# Altium PCB STB_LightBoard.PcbDoc (part 21 of 31) (continued)
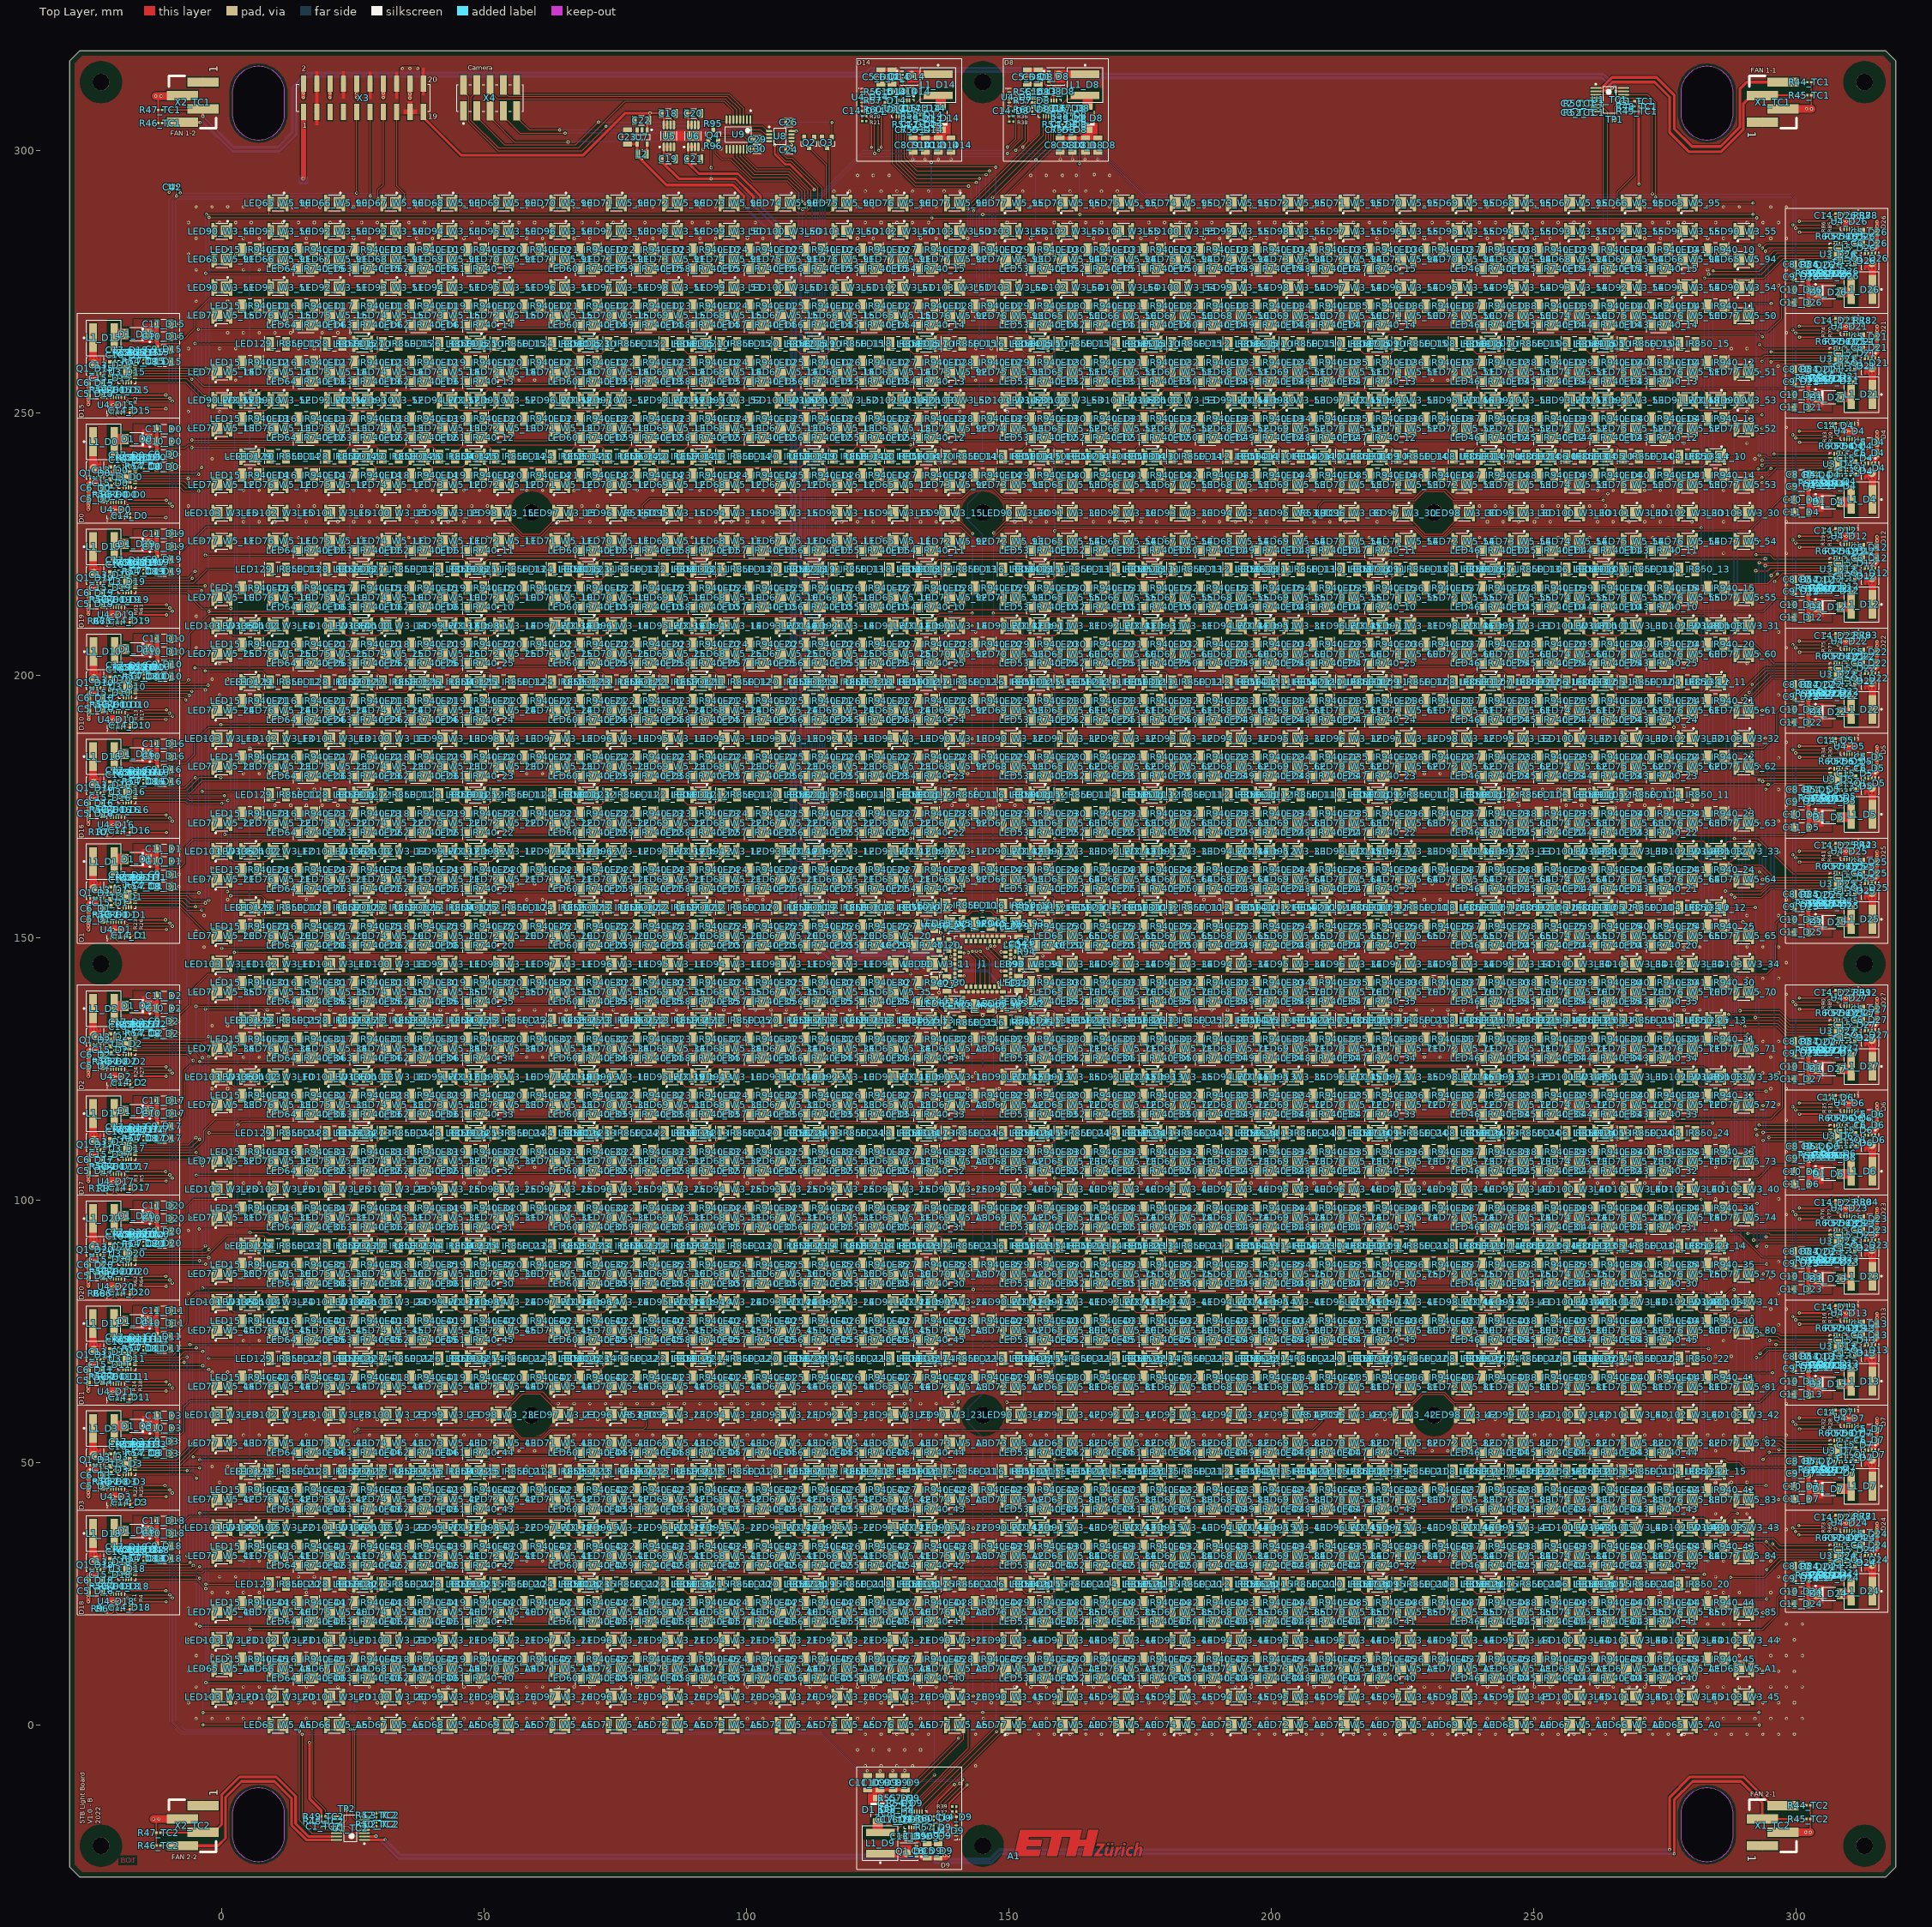
[diagram p0: Top Layer view]
## Nets (pads, with @x,y where several pads share a name; then routed paths per layer and width w, separated by ;. In a path a pad name is that pad's centre, name@x,y a point inside that pad or via, vN(x,y) a via of type N, cw(c..) or ccw(c..) an arc to the next point about the centre after c; other vN are vias at no path point) (continued)
  Top Layer w0.2: LED53_IR740_21.2@157.678,158.781 164.351,158.781
NetLED52_IR740_22_1: LED52_IR740_22.1 LED53_IR740_22.2 | length 6.7
  Top Layer w0.2: LED53_IR740_22.2@157.678,169.522 164.351,169.522
NetLED52_IR740_23_1: LED52_IR740_23.1 LED53_IR740_23.2 | length 6.7
  Top Layer w0.2: LED53_IR740_23.2@157.678,180.263 164.351,180.263
NetLED52_IR740_24_1: LED52_IR740_24.1 LED53_IR740_24.2 | length 8.1
  Top Layer w0.2: LED53_IR740_24.2@157.678,191.004 164.351,191.004 ; 163.9,191.004 164.351,191.004 ; LED52_IR740_24.1@165.122,191.538 164.588,191.004 164.351,191.004
NetLED52_IR740_25_1: LED52_IR740_25.1 LED53_IR740_25.2 | length 6.7
  Top Layer w0.2: LED53_IR740_25.2@157.678,201.745 164.351,201.745
NetLED52_IR740_30_1: LED52_IR740_30.1 LED53_IR740_30.2 | length 6.7
  Top Layer w0.2: LED53_IR740_30.2@157.678,83.594 164.351,83.594
NetLED52_IR740_31_1: LED52_IR740_31.1 LED53_IR740_31.2 | length 6.7
  Top Layer w0.2: LED53_IR740_31.2@157.678,94.335 164.351,94.335
NetLED52_IR740_32_1: LED52_IR740_32.1 LED53_IR740_32.2 | length 6.7
  Top Layer w0.2: LED53_IR740_32.2@157.678,105.076 164.351,105.076
NetLED52_IR740_33_1: LED52_IR740_33.1 LED53_IR740_33.2 | length 6.7
  Top Layer w0.2: LED53_IR740_33.2@157.678,115.817 164.351,115.817
NetLED52_IR740_34_1: LED52_IR740_34.1 LED53_IR740_34.2 | length 6.7
  Top Layer w0.2: LED53_IR740_34.2@157.678,126.558 164.351,126.558
NetLED52_IR740_35_1: LED52_IR740_35.1 LED53_IR740_35.2 | length 6.7
  Top Layer w0.2: LED53_IR740_35.2@157.678,137.299 164.351,137.299
NetLED52_IR740_40_1: LED52_IR740_40.1 LED53_IR740_40.2 | length 6.7
  Top Layer w0.2: LED53_IR740_40.2@157.678,8.407 164.351,8.407
NetLED52_IR740_41_1: LED52_IR740_41.1 LED53_IR740_41.2 | length 6.7
  Top Layer w0.2: LED53_IR740_41.2@157.678,19.148 164.351,19.148
NetLED52_IR740_42_1: LED52_IR740_42.1 LED53_IR740_42.2 | length 6.7
  Top Layer w0.2: LED53_IR740_42.2@157.678,29.889 164.351,29.889
NetLED52_IR740_43_1: LED52_IR740_43.1 LED53_IR740_43.2 | length 6.7
  Top Layer w0.2: LED53_IR740_43.2@157.678,40.63 164.351,40.63
NetLED52_IR740_44_1: LED52_IR740_44.1 LED53_IR740_44.2 | length 6.7
  Top Layer w0.2: LED53_IR740_44.2@157.678,51.371 164.351,51.371
NetLED52_IR740_45_1: LED52_IR740_45.1 LED53_IR740_45.2 | length 6.7
  Top Layer w0.2: LED53_IR740_45.2@157.678,72.853 164.351,72.853
NetLED53_IR740_10_1: LED53_IR740_10.1 LED54_IR740_10.2 | length 18.1
  Top Layer w0.2: LED54_IR740_10.2@136.196,212.486 LED53_IR740_10.1@154.3,212.486
NetLED53_IR740_11_1: LED53_IR740_11.1 LED54_IR740_11.2 | length 18.1
  Top Layer w0.2: LED54_IR740_11.2@136.196,223.227 LED53_IR740_11.1@154.3,223.227
NetLED53_IR740_12_1: LED53_IR740_12.1 LED54_IR740_12.2 | length 18.1
  Top Layer w0.2: LED54_IR740_12.2@136.196,244.709 LED53_IR740_12.1@154.3,244.709
NetLED53_IR740_13_1: LED53_IR740_13.1 LED54_IR740_13.2 | length 18.1
  Top Layer w0.2: LED54_IR740_13.2@136.196,255.45 LED53_IR740_13.1@154.3,255.45
NetLED53_IR740_14_1: LED53_IR740_14.1 LED54_IR740_14.2 | length 18.1
  Top Layer w0.2: LED54_IR740_14.2@136.196,266.191 LED53_IR740_14.1@154.3,266.191
NetLED53_IR740_15_1: LED53_IR740_15.1 LED54_IR740_15.2 | length 18.1
  Top Layer w0.2: LED54_IR740_15.2@136.196,276.932 LED53_IR740_15.1@154.3,276.932
NetLED53_IR740_20_1: LED53_IR740_20.1 LED54_IR740_20.2 | length 23.8
  Top Layer w0.2: LED54_IR740_20.2@134.525,148.574 134.58,148.629 136.936,148.629 137.6,149.294 137.6,150.531 137.951,150.882 152.945,150.882 153.21,150.617 154.066,150.617 154.537,150.146 154.537,149.518 155.181,148.874 LED53_IR740_20.1@155.181,148.574
NetLED53_IR740_21_1: LED53_IR740_21.1 LED54_IR740_21.2 | length 18.1
  Top Layer w0.2: LED54_IR740_21.2@136.196,158.781 LED53_IR740_21.1@154.3,158.781
NetLED53_IR740_22_1: LED53_IR740_22.1 LED54_IR740_22.2 | length 18.1
  Top Layer w0.2: LED54_IR740_22.2@136.196,169.522 LED53_IR740_22.1@154.3,169.522
NetLED53_IR740_23_1: LED53_IR740_23.1 LED54_IR740_23.2 | length 18.1
  Top Layer w0.2: LED54_IR740_23.2@136.196,180.263 LED53_IR740_23.1@154.3,180.263
NetLED53_IR740_24_1: LED53_IR740_24.1 LED54_IR740_24.2 | length 18.1
  Top Layer w0.2: LED54_IR740_24.2@136.196,191.004 LED53_IR740_24.1@154.3,191.004
NetLED53_IR740_25_1: LED53_IR740_25.1 LED54_IR740_25.2 | length 18.1
  Top Layer w0.2: LED54_IR740_25.2@136.196,201.745 LED53_IR740_25.1@154.3,201.745
NetLED53_IR740_30_1: LED53_IR740_30.1 LED54_IR740_30.2 | length 18.1
  Top Layer w0.2: LED54_IR740_30.2@136.196,83.594 LED53_IR740_30.1@154.3,83.594
NetLED53_IR740_31_1: LED53_IR740_31.1 LED54_IR740_31.2 | length 18.4
  Top Layer w0.2: LED54_IR740_31.2@135.3,94.9 135.3,94.8 135.369,94.869 LED54_IR740_31.2@135.425,94.869 ; LED54_IR740_31.2@136.196,94.335 LED53_IR740_31.1@154.3,94.335
NetLED53_IR740_32_1: LED53_IR740_32.1 LED54_IR740_32.2 | length 18.1
  Top Layer w0.2: LED54_IR740_32.2@136.196,105.076 LED53_IR740_32.1@154.3,105.076
NetLED53_IR740_33_1: LED53_IR740_33.1 LED54_IR740_33.2 | length 18.1
  Top Layer w0.2: LED54_IR740_33.2@136.196,115.817 LED53_IR740_33.1@154.3,115.817
NetLED53_IR740_34_1: LED53_IR740_34.1 LED54_IR740_34.2 | length 18.1
  Top Layer w0.2: LED54_IR740_34.2@136.196,126.558 LED53_IR740_34.1@154.3,126.558
NetLED53_IR740_35_1: LED53_IR740_35.1 LED54_IR740_35.2 | length 22.1
  Top Layer w0.2: LED54_IR740_35.2@135.425,137.833 135.546,137.833 136.496,136.883 136.496,136.57 137.473,135.593 141.808,135.593 142.849,134.552 147.068,134.552 148.05,135.534 152.514,135.534 153.731,136.751 153.731,137.183 LED53_IR740_35.1@154.381,137.833
NetLED53_IR740_40_1: LED53_IR740_40.1 LED54_IR740_40.2 | length 18.1
  Top Layer w0.2: LED54_IR740_40.2@136.196,8.407 LED53_IR740_40.1@154.3,8.407
NetLED53_IR740_41_1: LED53_IR740_41.1 LED54_IR740_41.2 | length 18.1
  Top Layer w0.2: LED54_IR740_41.2@136.196,19.148 LED53_IR740_41.1@154.3,19.148
NetLED53_IR740_42_1: LED53_IR740_42.1 LED54_IR740_42.2 | length 18.1
  Top Layer w0.2: LED54_IR740_42.2@136.196,29.889 LED53_IR740_42.1@154.3,29.889
NetLED53_IR740_43_1: LED53_IR740_43.1 LED54_IR740_43.2 | length 18.1
  Top Layer w0.2: LED54_IR740_43.2@136.196,40.63 LED53_IR740_43.1@154.3,40.63
NetLED53_IR740_44_1: LED53_IR740_44.1 LED54_IR740_44.2 | length 18.1
  Top Layer w0.2: LED54_IR740_44.2@136.196,51.371 LED53_IR740_44.1@154.3,51.371
NetLED53_IR740_45_1: LED53_IR740_45.1 LED54_IR740_45.2 | length 18.1
  Top Layer w0.2: LED54_IR740_45.2@136.196,72.853 LED53_IR740_45.1@154.3,72.853
NetLED54_IR740_10_1: LED54_IR740_10.1 LED55_IR740_10.2 | length 6.7
  Top Layer w0.2: LED55_IR740_10.2@125.455,212.486 132.128,212.486
NetLED54_IR740_11_1: LED54_IR740_11.1 LED55_IR740_11.2 | length 6.7
  Top Layer w0.2: LED55_IR740_11.2@125.455,223.227 132.128,223.227
NetLED54_IR740_12_1: LED54_IR740_12.1 LED55_IR740_12.2 | length 6.7
  Top Layer w0.2: LED55_IR740_12.2@125.455,244.709 132.128,244.709
NetLED54_IR740_13_1: LED54_IR740_13.1 LED55_IR740_13.2 | length 6.7
  Top Layer w0.2: LED55_IR740_13.2@125.455,255.45 132.128,255.45
NetLED54_IR740_14_1: LED54_IR740_14.1 LED55_IR740_14.2 | length 6.7
  Top Layer w0.2: LED55_IR740_14.2@125.455,266.191 132.128,266.191
NetLED54_IR740_15_1: LED54_IR740_15.1 LED55_IR740_15.2 | length 6.7
  Top Layer w0.2: LED55_IR740_15.2@125.455,276.932 132.128,276.932
NetLED54_IR740_20_1: LED54_IR740_20.1 LED55_IR740_20.2 | length 6.7
  Top Layer w0.2: LED55_IR740_20.2@125.455,148.04 LED54_IR740_20.1@132.128,148.04
NetLED54_IR740_21_1: LED54_IR740_21.1 LED55_IR740_21.2 | length 6.7
  Top Layer w0.2: LED55_IR740_21.2@125.455,158.781 132.128,158.781
NetLED54_IR740_22_1: LED54_IR740_22.1 LED55_IR740_22.2 | length 6.7
  Top Layer w0.2: LED55_IR740_22.2@125.455,169.522 132.128,169.522
NetLED54_IR740_23_1: LED54_IR740_23.1 LED55_IR740_23.2 | length 6.7
  Top Layer w0.2: LED55_IR740_23.2@125.455,180.263 132.128,180.263
NetLED54_IR740_24_1: LED54_IR740_24.1 LED55_IR740_24.2 | length 6.7
  Top Layer w0.2: LED55_IR740_24.2@125.455,191.004 132.128,191.004
NetLED54_IR740_25_1: LED54_IR740_25.1 LED55_IR740_25.2 | length 6.7
  Top Layer w0.2: LED55_IR740_25.2@125.455,201.745 132.128,201.745
NetLED54_IR740_30_1: LED54_IR740_30.1 LED55_IR740_30.2 | length 6.7
  Top Layer w0.2: LED55_IR740_30.2@125.455,83.594 132.128,83.594
NetLED54_IR740_31_1: LED54_IR740_31.1 LED55_IR740_31.2 | length 7.7
  Top Layer w0.2: LED55_IR740_31.2@125.455,94.335 132.128,94.335 132.365,94.335 LED54_IR740_31.1@132.899,94.869
NetLED54_IR740_32_1: LED54_IR740_32.1 LED55_IR740_32.2 | length 6.7
  Top Layer w0.2: LED55_IR740_32.2@125.455,105.076 132.128,105.076
NetLED54_IR740_33_1: LED54_IR740_33.1 LED55_IR740_33.2 | length 6.7
  Top Layer w0.2: LED55_IR740_33.2@125.455,115.817 132.128,115.817
NetLED54_IR740_34_1: LED54_IR740_34.1 LED55_IR740_34.2 | length 6.7
  Top Layer w0.2: LED55_IR740_34.2@125.455,126.558 132.128,126.558
NetLED54_IR740_35_1: LED54_IR740_35.1 LED55_IR740_35.2 | length 6.7
  Top Layer w0.2: LED55_IR740_35.2@125.455,137.299 132.128,137.299
NetLED54_IR740_40_1: LED54_IR740_40.1 LED55_IR740_40.2 | length 6.7
  Top Layer w0.2: LED55_IR740_40.2@125.455,8.407 132.128,8.407
NetLED54_IR740_41_1: LED54_IR740_41.1 LED55_IR740_41.2 | length 6.7
  Top Layer w0.2: LED55_IR740_41.2@125.455,19.148 132.128,19.148
NetLED54_IR740_42_1: LED54_IR740_42.1 LED55_IR740_42.2 | length 6.7
  Top Layer w0.2: LED55_IR740_42.2@125.455,29.889 132.128,29.889
NetLED54_IR740_43_1: LED54_IR740_43.1 LED55_IR740_43.2 | length 6.7
  Top Layer w0.2: LED55_IR740_43.2@125.455,40.63 132.128,40.63
NetLED54_IR740_44_1: LED54_IR740_44.1 LED55_IR740_44.2 | length 6.7
  Top Layer w0.2: LED55_IR740_44.2@125.455,51.371 132.128,51.371
NetLED54_IR740_45_1: LED54_IR740_45.1 LED55_IR740_45.2 | length 6.7
  Top Layer w0.2: LED55_IR740_45.2@125.455,72.853 132.128,72.853
NetLED55_IR740_10_1: LED55_IR740_10.1 LED56_IR740_10.2 | length 6.7
  Top Layer w0.2: LED56_IR740_10.2@114.714,212.486 121.387,212.486
NetLED55_IR740_11_1: LED55_IR740_11.1 LED56_IR740_11.2 | length 6.7
  Top Layer w0.2: LED56_IR740_11.2@114.714,223.227 121.387,223.227
NetLED55_IR740_12_1: LED55_IR740_12.1 LED56_IR740_12.2 | length 6.7
  Top Layer w0.2: LED56_IR740_12.2@114.714,244.709 121.387,244.709
NetLED55_IR740_13_1: LED55_IR740_13.1 LED56_IR740_13.2 | length 6.7
  Top Layer w0.2: LED56_IR740_13.2@114.714,255.45 121.387,255.45
NetLED55_IR740_14_1: LED55_IR740_14.1 LED56_IR740_14.2 | length 6.7
  Top Layer w0.2: LED56_IR740_14.2@114.714,266.191 121.387,266.191
NetLED55_IR740_15_1: LED55_IR740_15.1 LED56_IR740_15.2 | length 6.7
  Top Layer w0.2: LED56_IR740_15.2@114.714,276.932 121.387,276.932
NetLED55_IR740_20_1: LED55_IR740_20.1 LED56_IR740_20.2 | length 6.7
  Top Layer w0.2: LED56_IR740_20.2@114.714,148.04 121.387,148.04
NetLED55_IR740_21_1: LED55_IR740_21.1 LED56_IR740_21.2 | length 6.7
  Top Layer w0.2: LED56_IR740_21.2@114.714,158.781 121.387,158.781
NetLED55_IR740_22_1: LED55_IR740_22.1 LED56_IR740_22.2 | length 6.7
  Top Layer w0.2: LED56_IR740_22.2@114.714,169.522 121.387,169.522
NetLED55_IR740_23_1: LED55_IR740_23.1 LED56_IR740_23.2 | length 6.7
  Top Layer w0.2: LED56_IR740_23.2@114.714,180.263 121.387,180.263
NetLED55_IR740_24_1: LED55_IR740_24.1 LED56_IR740_24.2 | length 6.7
  Top Layer w0.2: LED56_IR740_24.2@114.714,191.004 121.387,191.004
NetLED55_IR740_25_1: LED55_IR740_25.1 LED56_IR740_25.2 | length 6.7
  Top Layer w0.2: LED56_IR740_25.2@114.714,201.745 121.387,201.745
NetLED55_IR740_30_1: LED55_IR740_30.1 LED56_IR740_30.2 | length 6.7
  Top Layer w0.2: LED56_IR740_30.2@114.714,83.594 121.387,83.594
NetLED55_IR740_31_1: LED55_IR740_31.1 LED56_IR740_31.2 | length 6.7
  Top Layer w0.2: LED56_IR740_31.2@114.714,94.335 121.387,94.335
NetLED55_IR740_32_1: LED55_IR740_32.1 LED56_IR740_32.2 | length 6.7
  Top Layer w0.2: LED56_IR740_32.2@114.714,105.076 121.387,105.076
NetLED55_IR740_33_1: LED55_IR740_33.1 LED56_IR740_33.2 | length 6.7
  Top Layer w0.2: LED56_IR740_33.2@114.714,115.817 121.387,115.817
NetLED55_IR740_34_1: LED55_IR740_34.1 LED56_IR740_34.2 | length 6.7
  Top Layer w0.2: LED56_IR740_34.2@114.714,126.558 121.387,126.558
NetLED55_IR740_35_1: LED55_IR740_35.1 LED56_IR740_35.2 | length 6.7
  Top Layer w0.2: LED56_IR740_35.2@114.714,137.299 121.387,137.299
NetLED55_IR740_40_1: LED55_IR740_40.1 LED56_IR740_40.2 | length 6.7
  Top Layer w0.2: LED56_IR740_40.2@114.714,8.407 121.387,8.407
NetLED55_IR740_41_1: LED55_IR740_41.1 LED56_IR740_41.2 | length 6.7
  Top Layer w0.2: LED56_IR740_41.2@114.714,19.148 121.387,19.148
NetLED55_IR740_42_1: LED55_IR740_42.1 LED56_IR740_42.2 | length 6.7
  Top Layer w0.2: LED56_IR740_42.2@114.714,29.889 121.387,29.889
NetLED55_IR740_43_1: LED55_IR740_43.1 LED56_IR740_43.2 | length 6.7
  Top Layer w0.2: LED56_IR740_43.2@114.714,40.63 121.387,40.63
NetLED55_IR740_44_1: LED55_IR740_44.1 LED56_IR740_44.2 | length 6.7
  Top Layer w0.2: LED56_IR740_44.2@114.714,51.371 121.387,51.371
NetLED55_IR740_45_1: LED55_IR740_45.1 LED56_IR740_45.2 | length 6.7
  Top Layer w0.2: LED56_IR740_45.2@114.714,72.853 121.387,72.853
NetLED56_IR740_10_1: LED56_IR740_10.1 LED57_IR740_10.2 | length 6.7
  Top Layer w0.2: LED57_IR740_10.2@103.973,212.486 110.646,212.486
NetLED56_IR740_11_1: LED56_IR740_11.1 LED57_IR740_11.2 | length 6.7
  Top Layer w0.2: LED57_IR740_11.2@103.973,223.227 110.646,223.227
NetLED56_IR740_12_1: LED56_IR740_12.1 LED57_IR740_12.2 | length 6.7
  Top Layer w0.2: LED57_IR740_12.2@103.973,244.709 110.646,244.709
NetLED56_IR740_13_1: LED56_IR740_13.1 LED57_IR740_13.2 | length 6.7
  Top Layer w0.2: LED57_IR740_13.2@103.973,255.45 110.646,255.45
NetLED56_IR740_14_1: LED56_IR740_14.1 LED57_IR740_14.2 | length 6.7
  Top Layer w0.2: LED57_IR740_14.2@103.973,266.191 110.646,266.191
NetLED56_IR740_15_1: LED56_IR740_15.1 LED57_IR740_15.2 | length 6.7
  Top Layer w0.2: LED57_IR740_15.2@103.973,276.932 110.646,276.932
NetLED56_IR740_20_1: LED56_IR740_20.1 LED57_IR740_20.2 | length 6.7
  Top Layer w0.2: LED57_IR740_20.2@103.973,148.04 110.646,148.04
NetLED56_IR740_21_1: LED56_IR740_21.1 LED57_IR740_21.2 | length 6.7
  Top Layer w0.2: LED57_IR740_21.2@103.973,158.781 110.646,158.781
NetLED56_IR740_22_1: LED56_IR740_22.1 LED57_IR740_22.2 | length 6.7
  Top Layer w0.2: LED57_IR740_22.2@103.973,169.522 110.646,169.522
NetLED56_IR740_23_1: LED56_IR740_23.1 LED57_IR740_23.2 | length 6.7
  Top Layer w0.2: LED57_IR740_23.2@103.973,180.263 110.646,180.263
NetLED56_IR740_24_1: LED56_IR740_24.1 LED57_IR740_24.2 | length 6.7
  Top Layer w0.2: LED57_IR740_24.2@103.973,191.004 110.646,191.004
NetLED56_IR740_25_1: LED56_IR740_25.1 LED57_IR740_25.2 | length 6.7
  Top Layer w0.2: LED57_IR740_25.2@103.973,201.745 110.646,201.745
NetLED56_IR740_30_1: LED56_IR740_30.1 LED57_IR740_30.2 | length 6.7
  Top Layer w0.2: LED57_IR740_30.2@103.973,83.594 110.646,83.594
NetLED56_IR740_31_1: LED56_IR740_31.1 LED57_IR740_31.2 | length 6.7
  Top Layer w0.2: LED57_IR740_31.2@103.973,94.335 110.646,94.335
NetLED56_IR740_32_1: LED56_IR740_32.1 LED57_IR740_32.2 | length 6.7
  Top Layer w0.2: LED57_IR740_32.2@103.973,105.076 110.646,105.076
NetLED56_IR740_33_1: LED56_IR740_33.1 LED57_IR740_33.2 | length 6.7
  Top Layer w0.2: LED57_IR740_33.2@103.973,115.817 110.646,115.817
NetLED56_IR740_34_1: LED56_IR740_34.1 LED57_IR740_34.2 | length 6.7
  Top Layer w0.2: LED57_IR740_34.2@103.973,126.558 110.646,126.558
NetLED56_IR740_35_1: LED56_IR740_35.1 LED57_IR740_35.2 | length 6.7
  Top Layer w0.2: LED57_IR740_35.2@103.973,137.299 110.646,137.299
NetLED56_IR740_40_1: LED56_IR740_40.1 LED57_IR740_40.2 | length 6.7
  Top Layer w0.2: LED57_IR740_40.2@103.973,8.407 110.646,8.407
NetLED56_IR740_41_1: LED56_IR740_41.1 LED57_IR740_41.2 | length 6.7
  Top Layer w0.2: LED57_IR740_41.2@103.973,19.148 110.646,19.148
NetLED56_IR740_42_1: LED56_IR740_42.1 LED57_IR740_42.2 | length 6.7
  Top Layer w0.2: LED57_IR740_42.2@103.973,29.889 110.646,29.889
NetLED56_IR740_43_1: LED56_IR740_43.1 LED57_IR740_43.2 | length 6.7
  Top Layer w0.2: LED57_IR740_43.2@103.973,40.63 110.646,40.63
NetLED56_IR740_44_1: LED56_IR740_44.1 LED57_IR740_44.2 | length 6.7
  Top Layer w0.2: LED57_IR740_44.2@103.973,51.371 110.646,51.371
NetLED56_IR740_45_1: LED56_IR740_45.1 LED57_IR740_45.2 | length 6.7
  Top Layer w0.2: LED57_IR740_45.2@103.973,72.853 110.646,72.853
NetLED57_IR740_10_1: LED57_IR740_10.1 LED58_IR740_10.2 | length 6.7
  Top Layer w0.2: LED58_IR740_10.2@93.232,212.486 99.905,212.486
NetLED57_IR740_11_1: LED57_IR740_11.1 LED58_IR740_11.2 | length 6.7
  Top Layer w0.2: LED58_IR740_11.2@93.232,223.227 99.905,223.227
NetLED57_IR740_12_1: LED57_IR740_12.1 LED58_IR740_12.2 | length 6.7
  Top Layer w0.2: LED58_IR740_12.2@93.232,244.709 99.905,244.709
NetLED57_IR740_13_1: LED57_IR740_13.1 LED58_IR740_13.2 | length 6.7
  Top Layer w0.2: LED58_IR740_13.2@93.232,255.45 99.905,255.45
NetLED57_IR740_14_1: LED57_IR740_14.1 LED58_IR740_14.2 | length 6.7
  Top Layer w0.2: LED58_IR740_14.2@93.232,266.191 99.905,266.191
NetLED57_IR740_15_1: LED57_IR740_15.1 LED58_IR740_15.2 | length 6.7
  Top Layer w0.2: LED58_IR740_15.2@93.232,276.932 99.905,276.932
NetLED57_IR740_20_1: LED57_IR740_20.1 LED58_IR740_20.2 | length 6.7
  Top Layer w0.2: LED58_IR740_20.2@93.232,148.04 99.905,148.04
NetLED57_IR740_21_1: LED57_IR740_21.1 LED58_IR740_21.2 | length 6.7
  Top Layer w0.2: LED58_IR740_21.2@93.232,158.781 99.905,158.781
NetLED57_IR740_22_1: LED57_IR740_22.1 LED58_IR740_22.2 | length 6.7
  Top Layer w0.2: LED58_IR740_22.2@93.232,169.522 99.905,169.522
NetLED57_IR740_23_1: LED57_IR740_23.1 LED58_IR740_23.2 | length 6.7
  Top Layer w0.2: LED58_IR740_23.2@93.232,180.263 99.905,180.263
NetLED57_IR740_24_1: LED57_IR740_24.1 LED58_IR740_24.2 | length 6.7
  Top Layer w0.2: LED58_IR740_24.2@93.232,191.004 99.905,191.004
NetLED57_IR740_25_1: LED57_IR740_25.1 LED58_IR740_25.2 | length 6.7
  Top Layer w0.2: LED58_IR740_25.2@93.232,201.745 99.905,201.745
NetLED57_IR740_30_1: LED57_IR740_30.1 LED58_IR740_30.2 | length 6.7
  Top Layer w0.2: LED58_IR740_30.2@93.232,83.594 99.905,83.594
NetLED57_IR740_31_1: LED57_IR740_31.1 LED58_IR740_31.2 | length 6.7
  Top Layer w0.2: LED58_IR740_31.2@93.232,94.335 99.905,94.335
NetLED57_IR740_32_1: LED57_IR740_32.1 LED58_IR740_32.2 | length 6.7
  Top Layer w0.2: LED58_IR740_32.2@93.232,105.076 99.905,105.076
NetLED57_IR740_33_1: LED57_IR740_33.1 LED58_IR740_33.2 | length 6.7
  Top Layer w0.2: LED58_IR740_33.2@93.232,115.817 99.905,115.817
NetLED57_IR740_34_1: LED57_IR740_34.1 LED58_IR740_34.2 | length 6.7
  Top Layer w0.2: LED58_IR740_34.2@93.232,126.558 99.905,126.558
NetLED57_IR740_35_1: LED57_IR740_35.1 LED58_IR740_35.2 | length 6.7
  Top Layer w0.2: LED58_IR740_35.2@93.232,137.299 99.905,137.299
NetLED57_IR740_40_1: LED57_IR740_40.1 LED58_IR740_40.2 | length 6.7
  Top Layer w0.2: LED58_IR740_40.2@93.232,8.407 99.905,8.407
NetLED57_IR740_41_1: LED57_IR740_41.1 LED58_IR740_41.2 | length 6.7
  Top Layer w0.2: LED58_IR740_41.2@93.232,19.148 99.905,19.148
NetLED57_IR740_42_1: LED57_IR740_42.1 LED58_IR740_42.2 | length 6.7
  Top Layer w0.2: LED58_IR740_42.2@93.232,29.889 99.905,29.889
NetLED57_IR740_43_1: LED57_IR740_43.1 LED58_IR740_43.2 | length 6.7
  Top Layer w0.2: LED58_IR740_43.2@93.232,40.63 99.905,40.63
NetLED57_IR740_44_1: LED57_IR740_44.1 LED58_IR740_44.2 | length 6.7
  Top Layer w0.2: LED58_IR740_44.2@93.232,51.371 99.905,51.371
NetLED57_IR740_45_1: LED57_IR740_45.1 LED58_IR740_45.2 | length 6.7
  Top Layer w0.2: LED58_IR740_45.2@93.232,72.853 99.905,72.853
NetLED58_IR740_10_1: LED58_IR740_10.1 LED59_IR740_10.2 | length 6.7
  Top Layer w0.2: LED59_IR740_10.2@82.491,212.486 89.164,212.486
NetLED58_IR740_11_1: LED58_IR740_11.1 LED59_IR740_11.2 | length 6.7
  Top Layer w0.2: LED59_IR740_11.2@82.491,223.227 89.164,223.227
NetLED58_IR740_12_1: LED58_IR740_12.1 LED59_IR740_12.2 | length 6.7
  Top Layer w0.2: LED59_IR740_12.2@82.491,244.709 89.164,244.709
NetLED58_IR740_13_1: LED58_IR740_13.1 LED59_IR740_13.2 | length 6.7
  Top Layer w0.2: LED59_IR740_13.2@82.491,255.45 89.164,255.45
NetLED58_IR740_14_1: LED58_IR740_14.1 LED59_IR740_14.2 | length 6.7
  Top Layer w0.2: LED59_IR740_14.2@82.491,266.191 89.164,266.191
NetLED58_IR740_15_1: LED58_IR740_15.1 LED59_IR740_15.2 | length 6.7
  Top Layer w0.2: LED59_IR740_15.2@82.491,276.932 89.164,276.932
NetLED58_IR740_20_1: LED58_IR740_20.1 LED59_IR740_20.2 | length 6.7
  Top Layer w0.2: LED59_IR740_20.2@82.491,148.04 89.164,148.04
NetLED58_IR740_21_1: LED58_IR740_21.1 LED59_IR740_21.2 | length 6.7
  Top Layer w0.2: LED59_IR740_21.2@82.491,158.781 89.164,158.781
NetLED58_IR740_22_1: LED58_IR740_22.1 LED59_IR740_22.2 | length 6.7
  Top Layer w0.2: LED59_IR740_22.2@82.491,169.522 89.164,169.522
NetLED58_IR740_23_1: LED58_IR740_23.1 LED59_IR740_23.2 | length 6.7
  Top Layer w0.2: LED59_IR740_23.2@82.491,180.263 89.164,180.263
NetLED58_IR740_24_1: LED58_IR740_24.1 LED59_IR740_24.2 | length 6.7
  Top Layer w0.2: LED59_IR740_24.2@82.491,191.004 89.164,191.004
NetLED58_IR740_25_1: LED58_IR740_25.1 LED59_IR740_25.2 | length 6.7
  Top Layer w0.2: LED59_IR740_25.2@82.491,201.745 89.164,201.745
NetLED58_IR740_30_1: LED58_IR740_30.1 LED59_IR740_30.2 | length 6.7
  Top Layer w0.2: LED59_IR740_30.2@82.491,83.594 89.164,83.594
NetLED58_IR740_31_1: LED58_IR740_31.1 LED59_IR740_31.2 | length 6.7
  Top Layer w0.2: LED59_IR740_31.2@82.491,94.335 89.164,94.335
NetLED58_IR740_32_1: LED58_IR740_32.1 LED59_IR740_32.2 | length 6.7
  Top Layer w0.2: LED59_IR740_32.2@82.491,105.076 89.164,105.076
NetLED58_IR740_33_1: LED58_IR740_33.1 LED59_IR740_33.2 | length 6.7
  Top Layer w0.2: LED59_IR740_33.2@82.491,115.817 89.164,115.817
NetLED58_IR740_34_1: LED58_IR740_34.1 LED59_IR740_34.2 | length 6.7
  Top Layer w0.2: LED59_IR740_34.2@82.491,126.558 89.164,126.558
NetLED58_IR740_35_1: LED58_IR740_35.1 LED59_IR740_35.2 | length 6.7
  Top Layer w0.2: LED59_IR740_35.2@82.491,137.299 89.164,137.299
NetLED58_IR740_40_1: LED58_IR740_40.1 LED59_IR740_40.2 | length 6.7
  Top Layer w0.2: LED59_IR740_40.2@82.491,8.407 89.164,8.407
NetLED58_IR740_41_1: LED58_IR740_41.1 LED59_IR740_41.2 | length 6.7
  Top Layer w0.2: LED59_IR740_41.2@82.491,19.148 89.164,19.148
NetLED58_IR740_42_1: LED58_IR740_42.1 LED59_IR740_42.2 | length 6.7
  Top Layer w0.2: LED59_IR740_42.2@82.491,29.889 89.164,29.889
NetLED58_IR740_43_1: LED58_IR740_43.1 LED59_IR740_43.2 | length 6.7
  Top Layer w0.2: LED59_IR740_43.2@82.491,40.63 89.164,40.63
NetLED58_IR740_44_1: LED58_IR740_44.1 LED59_IR740_44.2 | length 6.7
  Top Layer w0.2: LED59_IR740_44.2@82.491,51.371 89.164,51.371
NetLED58_IR740_45_1: LED58_IR740_45.1 LED59_IR740_45.2 | length 6.7
  Top Layer w0.2: LED59_IR740_45.2@82.491,72.853 89.164,72.853
NetLED59_IR740_10_1: LED59_IR740_10.1 LED60_IR740_10.2 | length 6.7
  Top Layer w0.2: LED60_IR740_10.2@71.75,212.486 78.423,212.486
NetLED59_IR740_11_1: LED59_IR740_11.1 LED60_IR740_11.2 | length 6.7
  Top Layer w0.2: LED60_IR740_11.2@71.75,223.227 78.423,223.227
NetLED59_IR740_12_1: LED59_IR740_12.1 LED60_IR740_12.2 | length 6.7
  Top Layer w0.2: LED60_IR740_12.2@71.75,244.709 78.423,244.709
NetLED59_IR740_13_1: LED59_IR740_13.1 LED60_IR740_13.2 | length 6.7
  Top Layer w0.2: LED60_IR740_13.2@71.75,255.45 78.423,255.45
NetLED59_IR740_14_1: LED59_IR740_14.1 LED60_IR740_14.2 | length 6.7
  Top Layer w0.2: LED60_IR740_14.2@71.75,266.191 78.423,266.191
NetLED59_IR740_15_1: LED59_IR740_15.1 LED60_IR740_15.2 | length 6.7
  Top Layer w0.2: LED60_IR740_15.2@71.75,276.932 78.423,276.932
NetLED59_IR740_20_1: LED59_IR740_20.1 LED60_IR740_20.2 | length 6.7
  Top Layer w0.2: LED60_IR740_20.2@71.75,148.04 78.423,148.04
NetLED59_IR740_21_1: LED59_IR740_21.1 LED60_IR740_21.2 | length 6.7
  Top Layer w0.2: LED60_IR740_21.2@71.75,158.781 78.423,158.781
NetLED59_IR740_22_1: LED59_IR740_22.1 LED60_IR740_22.2 | length 6.7
  Top Layer w0.2: LED60_IR740_22.2@71.75,169.522 78.423,169.522
NetLED59_IR740_23_1: LED59_IR740_23.1 LED60_IR740_23.2 | length 6.7
  Top Layer w0.2: LED60_IR740_23.2@71.75,180.263 78.423,180.263
NetLED59_IR740_24_1: LED59_IR740_24.1 LED60_IR740_24.2 | length 6.7
  Top Layer w0.2: LED60_IR740_24.2@71.75,191.004 78.423,191.004
NetLED59_IR740_25_1: LED59_IR740_25.1 LED60_IR740_25.2 | length 6.7
  Top Layer w0.2: LED60_IR740_25.2@71.75,201.745 78.423,201.745
NetLED59_IR740_30_1: LED59_IR740_30.1 LED60_IR740_30.2 | length 6.7
  Top Layer w0.2: LED60_IR740_30.2@71.75,83.594 78.423,83.594
NetLED59_IR740_31_1: LED59_IR740_31.1 LED60_IR740_31.2 | length 6.7
  Top Layer w0.2: LED60_IR740_31.2@71.75,94.335 78.423,94.335
NetLED59_IR740_32_1: LED59_IR740_32.1 LED60_IR740_32.2 | length 6.7
  Top Layer w0.2: LED60_IR740_32.2@71.75,105.076 78.423,105.076
NetLED59_IR740_33_1: LED59_IR740_33.1 LED60_IR740_33.2 | length 6.7
  Top Layer w0.2: LED60_IR740_33.2@71.75,115.817 78.423,115.817
NetLED59_IR740_34_1: LED59_IR740_34.1 LED60_IR740_34.2 | length 6.7
  Top Layer w0.2: LED60_IR740_34.2@71.75,126.558 78.423,126.558
NetLED59_IR740_35_1: LED59_IR740_35.1 LED60_IR740_35.2 | length 6.7
  Top Layer w0.2: LED60_IR740_35.2@71.75,137.299 78.423,137.299
NetLED59_IR740_40_1: LED59_IR740_40.1 LED60_IR740_40.2 | length 6.7
  Top Layer w0.2: LED60_IR740_40.2@71.75,8.407 78.423,8.407
NetLED59_IR740_41_1: LED59_IR740_41.1 LED60_IR740_41.2 | length 6.7
  Top Layer w0.2: LED60_IR740_41.2@71.75,19.148 78.423,19.148
NetLED59_IR740_42_1: LED59_IR740_42.1 LED60_IR740_42.2 | length 6.7
  Top Layer w0.2: LED60_IR740_42.2@71.75,29.889 78.423,29.889
NetLED59_IR740_43_1: LED59_IR740_43.1 LED60_IR740_43.2 | length 6.7
  Top Layer w0.2: LED60_IR740_43.2@71.75,40.63 78.423,40.63
NetLED59_IR740_44_1: LED59_IR740_44.1 LED60_IR740_44.2 | length 6.7
  Top Layer w0.2: LED60_IR740_44.2@71.75,51.371 78.423,51.371
NetLED59_IR740_45_1: LED59_IR740_45.1 LED60_IR740_45.2 | length 6.7
  Top Layer w0.2: LED60_IR740_45.2@71.75,72.853 78.423,72.853
NetLED60_IR740_10_1: LED60_IR740_10.1 LED61_IR740_10.2 | length 23.7
  Top Layer w0.2: 56.6,212.486 50.268,212.486 56.941,212.486 67.682,212.486
NetLED60_IR740_11_1: LED60_IR740_11.1 LED61_IR740_11.2 | length 23.7
  Top Layer w0.2: 56.6,223.227 50.268,223.227 56.941,223.227 67.682,223.227
NetLED60_IR740_12_1: LED60_IR740_12.1 LED61_IR740_12.2 | length 23.7
  Top Layer w0.2: 56.6,244.709 50.268,244.709 56.941,244.709 67.682,244.709
NetLED60_IR740_13_1: LED60_IR740_13.1 LED61_IR740_13.2 | length 23.7
  Top Layer w0.2: 56.6,255.45 50.268,255.45 56.941,255.45 67.682,255.45
NetLED60_IR740_14_1: LED60_IR740_14.1 LED61_IR740_14.2 | length 23.7
  Top Layer w0.2: 56.6,266.191 50.268,266.191 56.941,266.191 67.682,266.191
NetLED60_IR740_15_1: LED60_IR740_15.1 LED61_IR740_15.2 | length 23.7
  Top Layer w0.2: 56.6,276.932 50.268,276.932 56.941,276.932 67.682,276.932
NetLED60_IR740_20_1: LED60_IR740_20.1 LED61_IR740_20.2 | length 23.7
  Top Layer w0.2: 56.6,148.04 50.268,148.04 56.941,148.04 67.682,148.04
NetLED60_IR740_21_1: LED60_IR740_21.1 LED61_IR740_21.2 | length 23.7
  Top Layer w0.2: 56.6,158.781 50.268,158.781 56.941,158.781 67.682,158.781
NetLED60_IR740_22_1: LED60_IR740_22.1 LED61_IR740_22.2 | length 23.7
  Top Layer w0.2: 56.6,169.522 50.268,169.522 56.941,169.522 67.682,169.522
NetLED60_IR740_23_1: LED60_IR740_23.1 LED61_IR740_23.2 | length 23.7
  Top Layer w0.2: 56.6,180.263 50.268,180.263 56.941,180.263 67.682,180.263
NetLED60_IR740_24_1: LED60_IR740_24.1 LED61_IR740_24.2 | length 23.7
  Top Layer w0.2: 56.6,191.004 50.268,191.004 56.941,191.004 67.682,191.004
NetLED60_IR740_25_1: LED60_IR740_25.1 LED61_IR740_25.2 | length 23.7
  Top Layer w0.2: 56.6,201.745 50.268,201.745 56.941,201.745 67.682,201.745
NetLED60_IR740_30_1: LED60_IR740_30.1 LED61_IR740_30.2 | length 23.7
  Top Layer w0.2: 56.6,83.594 50.268,83.594 56.941,83.594 67.682,83.594
NetLED60_IR740_31_1: LED60_IR740_31.1 LED61_IR740_31.2 | length 23.7
  Top Layer w0.2: 56.6,94.335 50.268,94.335 56.941,94.335 67.682,94.335
NetLED60_IR740_32_1: LED60_IR740_32.1 LED61_IR740_32.2 | length 23.7
  Top Layer w0.2: 56.6,105.076 50.268,105.076 56.941,105.076 67.682,105.076
NetLED60_IR740_33_1: LED60_IR740_33.1 LED61_IR740_33.2 | length 23.7
  Top Layer w0.2: 56.6,115.817 50.268,115.817 56.941,115.817 67.682,115.817
NetLED60_IR740_34_1: LED60_IR740_34.1 LED61_IR740_34.2 | length 23.7
  Top Layer w0.2: 56.6,126.558 50.268,126.558 56.941,126.558 67.682,126.558
NetLED60_IR740_35_1: LED60_IR740_35.1 LED61_IR740_35.2 | length 23.7
  Top Layer w0.2: 56.6,137.299 50.268,137.299 56.941,137.299 67.682,137.299
NetLED60_IR740_40_1: LED60_IR740_40.1 LED61_IR740_40.2 | length 23.7
  Top Layer w0.2: 56.6,8.407 50.268,8.407 56.941,8.407 67.682,8.407
NetLED60_IR740_41_1: LED60_IR740_41.1 LED61_IR740_41.2 | length 23.7
  Top Layer w0.2: 56.6,19.148 50.268,19.148 56.941,19.148 67.682,19.148
NetLED60_IR740_42_1: LED60_IR740_42.1 LED61_IR740_42.2 | length 23.7
  Top Layer w0.2: 56.6,29.889 50.268,29.889 56.941,29.889 67.682,29.889